# KiCad board !HDMI2USB.kicad_pcb (continued)
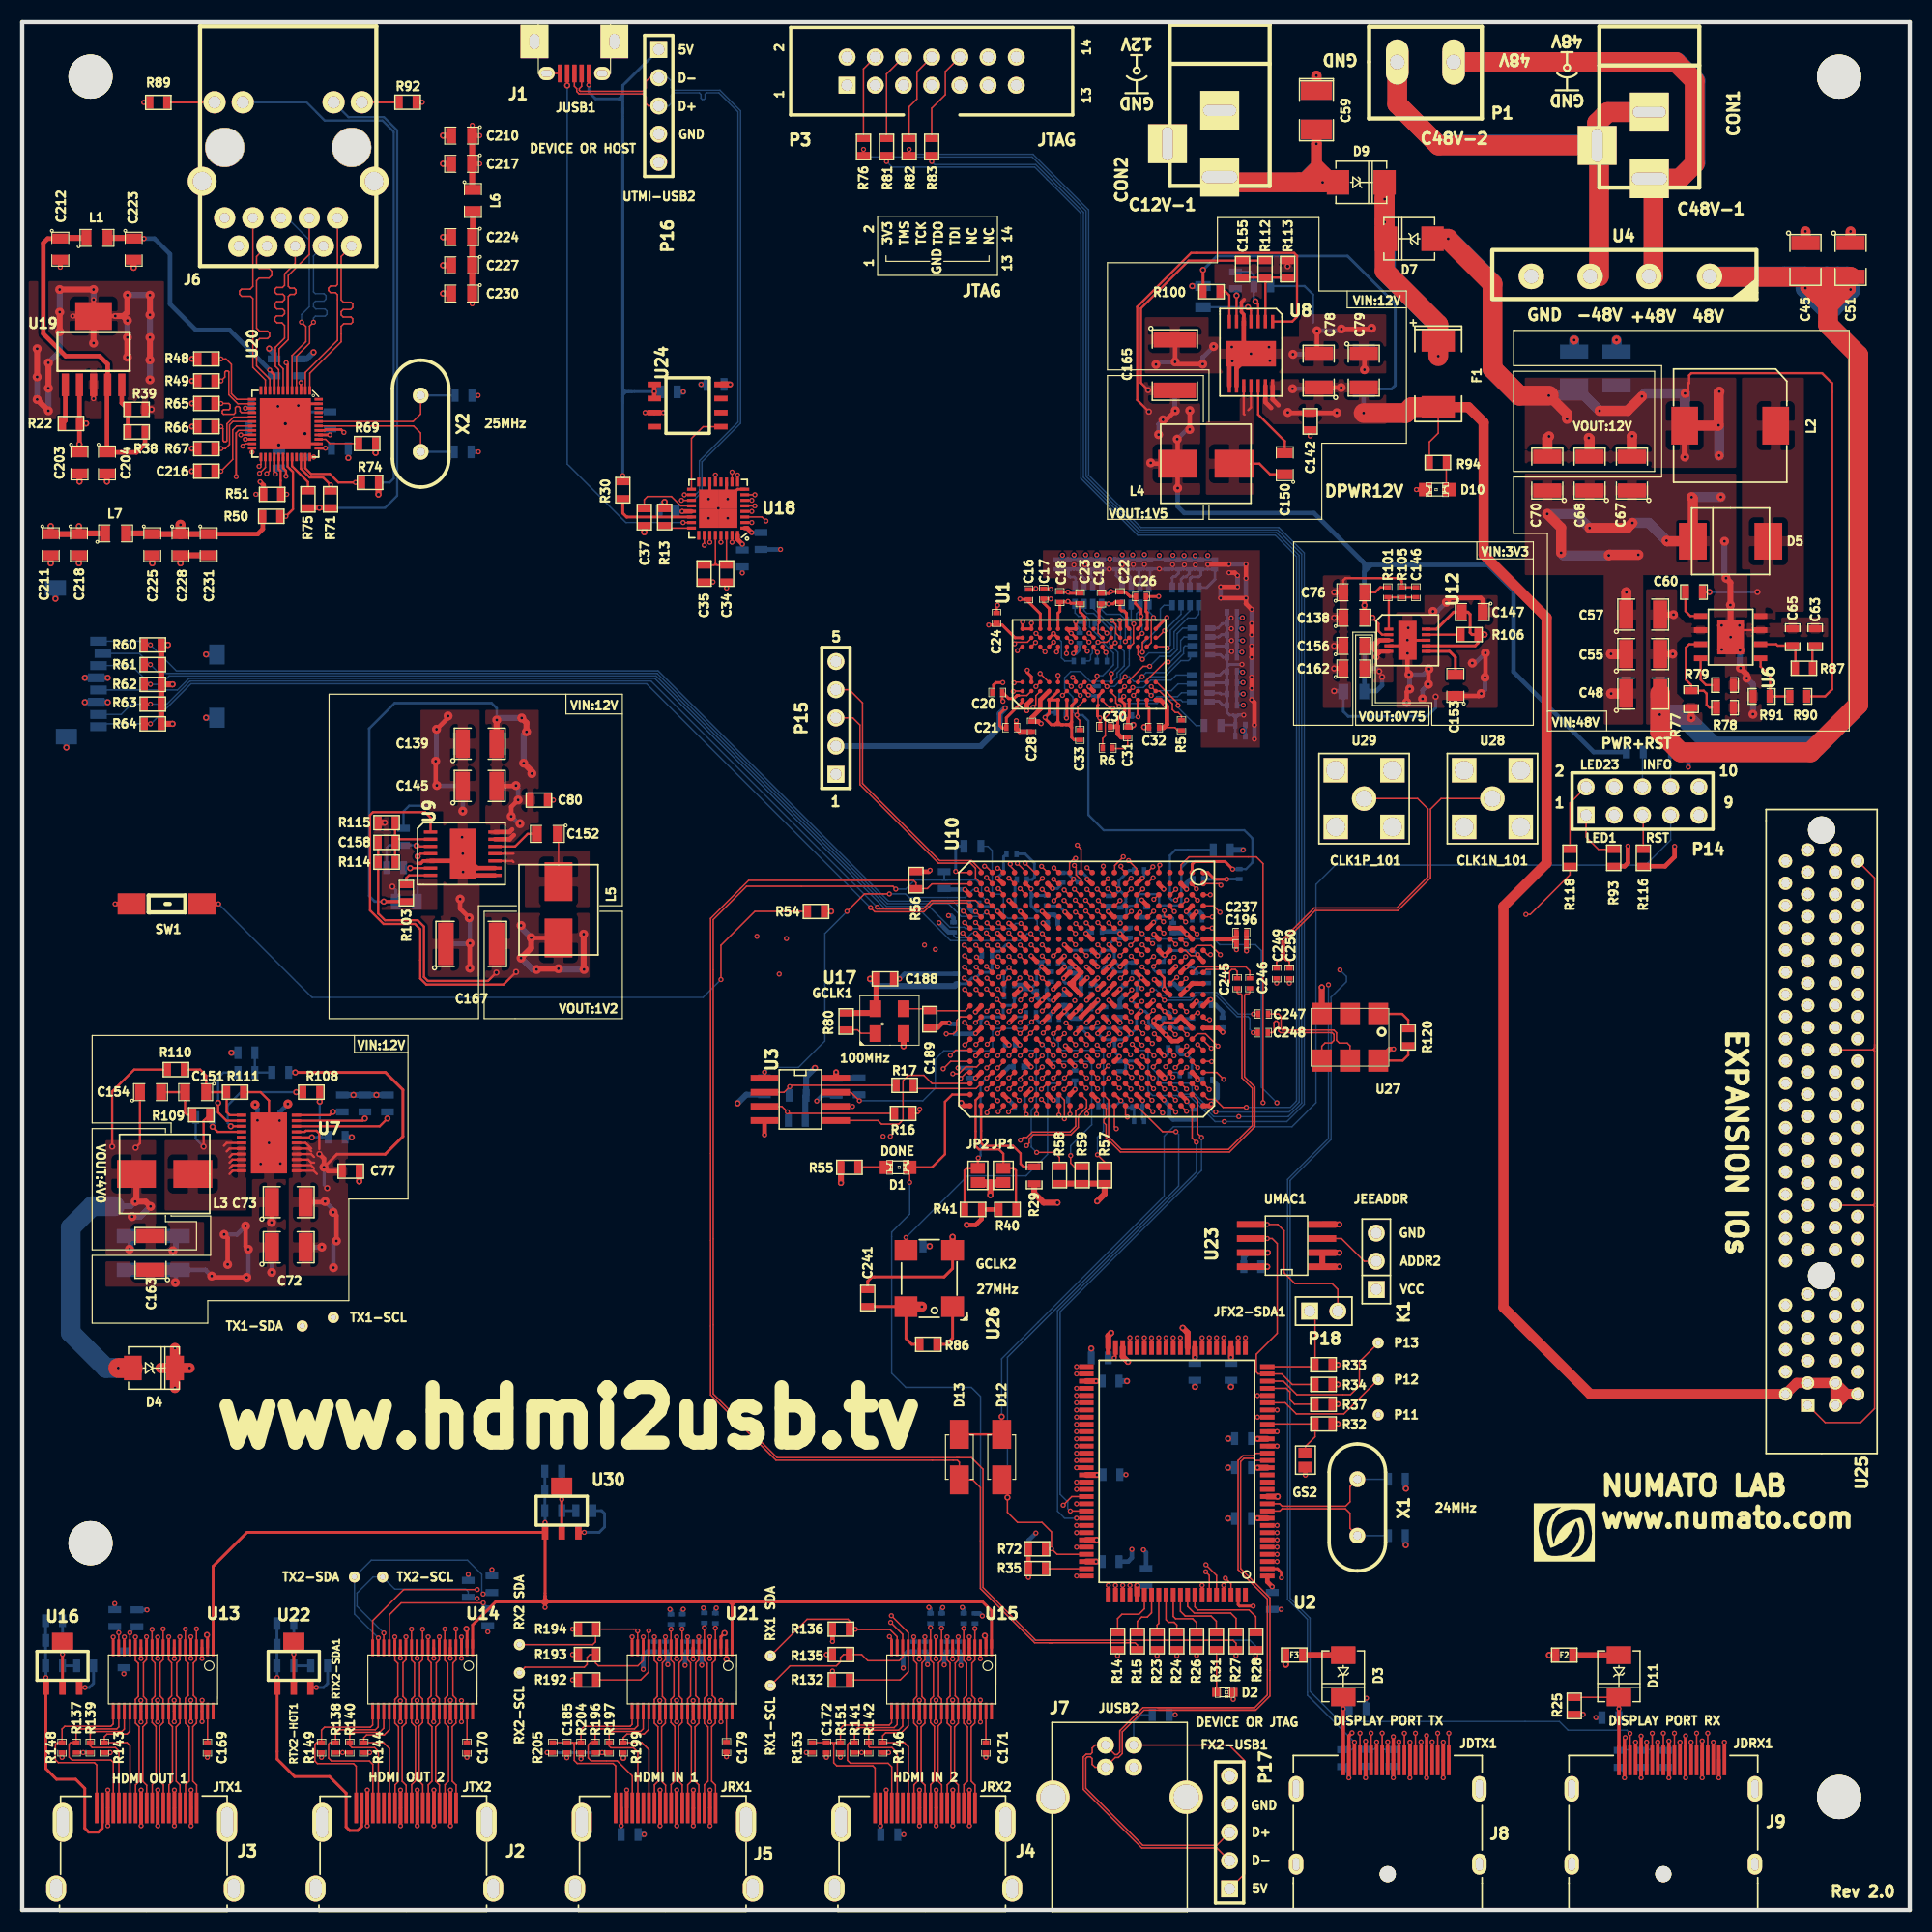
[diagram p0: board, top side]
## Routing (per net, layer and track width the routed paths; a pad name or vN(x,y) marks a point on that pad's centre or on a via; arc(x,y) is an arc through that point) (continued)
  BOTTOM w0.127: 99.88,85.9 v1(99.88,85.87)
/FPGA_Bank_0_3/DIFFCLK_A1P: length 81.1
  TOP w0.127: U10.F10 100.86,84.92
  SIGNAL1-X w0.127: U25.A47 158.57,93.45 157.8,94.22 156.57,94.22 156.24,94.55 156.24,96.06 156.09,96.21 155.93,96.21 155.78,96.06 155.78,94.53 155.47,94.22 155.09,94.22 154.8,94.51 154.8,96.03 154.63,96.2 154.43,96.2 154.27,96.03 154.27,94.52 153.96,94.22 153.6,94.22 153.32,94.5 153.32,96.04 153.17,96.2 152.99,96.2 152.85,96.05 152.85,94.49 152.58,94.22 152.02,94.22 151.78,94.46 151.78,95.1 151.64,95.24 151.44,95.24 151.3,95.1 151.3,94.44 151.08,94.22 108.4,94.22 107.89,93.71 103.86,93.71 103.41,93.25 103.41,91.65 103.14,91.39 102.66,91.39 102.38,91.11 102.38,89.67 102.11,89.4 101.68,89.4 100.37,88.08 100.37,85.41 v1(100.86,84.92)
/FPGA_Bank_0_3/DIFFCLK_B0N: length 81.1
  TOP w0.127: 101.97,78.89 102.36,78.5 U10.E16
  SIGNAL4-Y w0.127: v1(101.96,78.89) 102.53,78.32 133.39,78.32 136.26,81.19 148.57,81.19 155.62,74.14 155.62,69.58 157.59,67.61 159.52,67.61 160.48,66.64 161.55,66.64 162.1,67.19 162.1,73.56 163,74.45 U25.B28
/FPGA_Bank_0_3/DIFFCLK_B0P: length 81.1
  TOP w0.127: 101.39,78.42 v1(101.78,78.02)
  SIGNAL4-Y w0.127: v1(101.78,78.02) 102.41,77.39 106.66,77.39 106.92,77.14 107.99,77.14 108.95,78.09 133.49,78.09 135.3,79.91 137.1,79.91 137.24,80.05 137.24,80.28 137.09,80.44 136.36,80.44 136.2,80.6 136.2,80.8 136.36,80.96 148.47,80.96 155.39,74.04 155.39,69.48 157.5,67.38 159.42,67.38 160.39,66.41 161.65,66.41 162.33,67.09 162.33,72.47 U25.B27
/FPGA_Bank_0_3/DIFFCLK_B1N: length 81
  TOP w0.127: 100.41,83.42 v1(100.85,82.97)
  SIGNAL4-Y w0.127: U25.B46 164.38,91.52 164.38,90.84 163.86,90.33 160.18,90.33 159.16,91.34 156.75,91.34 156.37,91.72 156.37,95.53 156.27,95.63 156.05,95.63 155.95,95.53 155.95,95.25 155.82,95.12 111.49,95.12 108.23,91.86 106.58,91.86 106.21,91.48 101.82,91.48 101.47,91.14 101.47,89.42 ; v1(100.85,82.97) 100.36,83.47 100.36,88.3 101.47,89.41
/FPGA_Bank_0_3/DIFFCLK_B1P: length 81.1
  TOP w0.127: 99.48,82.42 v1(99.92,82.86)
  SIGNAL4-Y w0.127: U25.B45 162.42,90.56 160.27,90.56 159.26,91.57 156.89,91.57 156.6,91.86 156.6,96.77 156.39,96.98 155.92,96.98 155.71,96.77 155.71,95.49 155.58,95.35 111.39,95.35 109.26,93.22 107.89,93.22 107.08,92.41 102.42,92.41 101.24,91.23 101.24,89.51 99.41,87.68 99.41,83.7 99.92,83.19 v1(99.92,82.86)
/FPGA_Bank_0_3/DIFFCLK_XN: length 81.1
  TOP w0.127: v1(103.64,75) 103.36,75.27 U10.D19
  SIGNAL2-Y w0.127: U25.A14 158.02,61.24 152.07,61.24 151.69,61.62 151.69,67.59 151.53,67.74 151.26,67.74 151.1,67.58 151.1,61.84 150.79,61.53 150.35,61.53 150.06,61.82 150.06,67.53 149.85,67.74 149.58,67.74 149.38,67.55 149.38,65.77 149.25,65.64 149,65.64 148.86,65.77 148.86,67.53 148.65,67.74 147.11,67.74 139.66,75.2 104.22,75.2 104.01,75 v1(103.64,75)
/FPGA_Bank_0_3/DIFFCLK_XP: length 81.2
  TOP w0.127: v1(102.98,75.93) 103.36,76.32 U10.D18
  SIGNAL2-Y w0.127: U25.A13 159.92,60.34 159.92,60.78 159.22,61.47 152.18,61.47 151.92,61.73 151.92,67.71 151.66,67.98 151.15,67.98 150.87,67.69 150.87,61.94 150.7,61.78 150.43,61.78 150.29,61.92 150.29,67.7 150.01,67.98 147.21,67.98 139.76,75.43 103.12,75.43 102.98,75.57 v1(102.98,75.93)
/FPGA_Bank_0_3/DIFFIO_A0N: length 81.2
  TOP w0.127: v1(103.86,75.86) 104.36,76.37 U10.C18
  SIGNAL4-Y w0.127: v1(103.86,75.86) 103.86,75.52 104.31,75.07 104.31,73.76 104.59,73.48 105.34,73.48 105.73,73.1 135.45,73.1 145.12,63.43 153.06,63.43 153.26,63.24 153.26,62.95 153.05,62.75 150.43,62.75 150.16,62.48 150.16,62.04 150.44,61.77 154.73,61.77 154.88,61.61 154.88,61.42 154.73,61.27 153.61,61.27 153.44,61.1 153.44,60.91 153.57,60.78 155.71,60.78 155.94,60.55 155.94,53.32 U25.A6
/FPGA_Bank_0_3/DIFFIO_A0P: length 81.1
  TOP w0.127: v1(103.74,76.91) 103.36,77.28 U10.D17
  SIGNAL4-Y w0.127: U25.A5 159.9,50.36 159.9,50.92 159.37,51.45 158.14,51.45 156.17,53.42 156.17,60.65 154.82,62 150.53,62 150.39,62.14 150.39,62.37 150.53,62.52 153.15,62.52 153.49,62.86 153.49,63.33 153.15,63.67 145.21,63.67 135.54,73.33 105.85,73.33 105.28,73.9 105.28,74.51 104.26,75.53 104.26,76.39 v1(103.74,76.91)
/FPGA_Bank_0_3/DIFFIO_A1N: length 81.2
  TOP w0.127: U10.A18 107.09,76.42
  SIGNAL4-Y w0.127: v1(107.12,76.39) 144.4,76.39 144.52,76.51 144.52,76.73 144.39,76.85 137.93,76.85 137.43,77.36 137.43,78.9 137.92,79.39 148.51,79.39 154.47,73.43 154.47,68.86 157.77,65.56 157.77,63.82 158.14,63.45 U25.A17
/FPGA_Bank_0_3/DIFFIO_A1P: length 81.1
  TOP w0.127: v1(105.87,75.85) 105.36,76.35 U10.B18
  SIGNAL4-Y w0.127: U25.A16 157.54,63.72 157.54,65.46 154.24,68.76 154.24,73.33 148.41,79.15 138.02,79.15 137.66,78.8 137.66,77.46 138.03,77.09 144.58,77.09 144.8,76.87 144.8,76.32 144.64,76.16 107.55,76.16 107.25,75.85 v1(105.87,75.85)
/FPGA_Bank_0_3/DIFFIO_A2N: length 81.1
  TOP w0.127: 100.43,79.42 v1(100.93,78.91)
  SIGNAL4-Y w0.127: U25.A22 156.72,70.54 156.72,76.28 149.93,83.06 149.93,85.95 149.4,86.48 134.5,86.48 134.34,86.32 134.34,86.13 134.5,85.98 136.12,85.98 136.28,85.83 136.28,85.63 136.13,85.49 133.67,85.49 133.45,85.27 133.45,80.54 132.39,79.47 101.96,79.47 101.4,78.91 v1(100.93,78.91)
/FPGA_Bank_0_3/DIFFIO_A2P: length 81.1
  TOP w0.127: v1(99.83,79.98) 99.39,80.42
  SIGNAL4-Y w0.127: U25.A21 159.76,68.5 159.76,69.08 159.43,69.41 158.18,69.41 156.95,70.64 156.95,76.38 150.16,83.16 150.16,86.05 149.5,86.71 134.27,86.71 133.22,85.66 133.22,80.64 132.29,79.7 101.86,79.7 101.62,79.46 100.35,79.46 v1(99.83,79.98)
/FPGA_Bank_0_3/DIFFIO_A3N: length 81.1
  TOP w0.127: 100.81,81.79 v1(100.84,81.82) 100.77,81.82 U10.G13
  SIGNAL2-Y w0.127: U25.A26 158.04,71.68 155.53,71.68 155.25,71.96 155.25,75.99 154.96,76.29 154.55,76.29 154.25,75.99 154.25,71.91 154.02,71.68 153.81,71.68 153.59,71.89 153.59,76 153.31,76.28 152.94,76.28 152.66,75.99 152.66,73.61 152.5,73.44 152.31,73.44 152.16,73.6 152.16,74.26 152.02,74.4 151.87,74.4 151.74,74.27 151.74,73.59 151.59,73.44 151.42,73.44 151.28,73.58 151.28,74.29 151.18,74.4 150.98,74.4 150.87,74.3 150.87,73.59 150.73,73.44 149.62,73.44 141.69,81.37 103.41,81.37 103.33,81.46 101.46,81.46 101.1,81.82 v1(100.84,81.82)
/FPGA_Bank_0_3/DIFFIO_A3P: length 81.1
  TOP w0.127: 99.38,81.35 v1(99.87,80.86)
  SIGNAL2-Y w0.127: v1(99.87,80.86) 100.28,80.45 101.38,80.45 101.49,80.57 102.44,80.57 102.77,80.24 106.07,80.24 106.97,81.14 141.6,81.14 149.52,73.21 152.6,73.21 152.89,73.51 152.89,75.88 153.02,76.01 153.24,76.01 153.36,75.88 153.36,71.8 153.71,71.45 154.12,71.45 154.48,71.81 154.48,75.89 154.65,76.06 154.86,76.06 155.02,75.9 155.02,71.82 155.39,71.45 U25.A25
/FPGA_Bank_0_3/DIFFIO_A4N: length 81
  TOP w0.127: 102.36,88.4 v1(102.81,87.96)
  SIGNAL4-Y w0.127: v1(102.81,87.96) 103.3,87.47 127.24,87.47 127.49,87.72 127.49,91.25 127.67,91.43 127.88,91.43 128.06,91.25 128.06,87.69 128.28,87.46 128.96,87.46 129.2,87.7 129.2,91.24 129.39,91.43 129.6,91.43 129.79,91.24 129.79,88.59 130.01,88.37 130.55,88.37 130.78,88.59 130.78,91.18 131.02,91.43 151.36,91.43 152.19,90.6 152.19,84.25 153.21,83.23 158.03,83.23 U25.A36
/FPGA_Bank_0_3/DIFFIO_A4P: length 81.1
  TOP w0.127: v1(102.79,88.99) 102.36,89.41 U10.E5
  SIGNAL4-Y w0.127: U25.A35 159.76,82.5 159.76,83.09 159.38,83.46 153.31,83.46 152.42,84.35 152.42,90.71 151.47,91.66 130.89,91.66 130.54,91.31 130.54,90.18 130.41,90.04 130.15,90.04 130.02,90.17 130.02,91.36 129.72,91.66 129.28,91.66 128.97,91.35 128.97,87.9 128.76,87.69 128.5,87.69 128.29,87.9 128.29,91.34 127.97,91.66 127.58,91.66 127.26,91.35 127.26,87.96 127,87.7 106.95,87.7 106.32,88.34 103.43,88.34 v1(102.79,88.99)
/FPGA_Bank_0_3/DIFFIO_A5N: length 81.2
  TOP w0.127: v1(107.87,89.84) 107.29,90.42 U10.A4
  SIGNAL4-Y w0.127: v1(107.87,89.84) 112.18,89.84 112.5,90.16 112.5,93.4 112.67,93.56 112.89,93.56 113.06,93.39 113.06,90.16 113.38,89.84 113.81,89.84 114.11,90.13 114.11,93.41 114.27,93.57 114.47,93.57 114.63,93.41 114.63,90.12 114.8,89.95 115.03,89.95 115.2,90.12 115.2,91.34 115.34,91.49 115.55,91.49 115.7,91.34 115.7,90.14 115.88,89.97 116.06,89.97 116.22,90.13 116.22,91.32 116.39,91.48 116.59,91.48 116.75,91.32 116.75,90.13 117.05,89.84 121.74,89.84 122.09,90.18 122.09,93.29 122.33,93.54 154.33,93.54 154.75,93.11 154.75,87.94 155.45,87.24 158.02,87.24 U25.A40
/FPGA_Bank_0_3/DIFFIO_A5P: length 81
  TOP w0.127: v1(104.87,90.94) 104.36,90.44 U10.C4
  SIGNAL4-Y w0.127: U25.A39 159.94,86.32 159.94,86.97 159.44,87.47 155.56,87.47 154.98,88.05 154.98,93.21 154.42,93.77 122.24,93.77 121.83,93.37 121.83,90.25 121.65,90.07 118,90.07 117.78,90.29 117.78,93.56 117.54,93.8 114.17,93.8 113.88,93.51 113.88,90.26 113.69,90.07 113.48,90.07 113.29,90.25 113.29,93.5 112.99,93.8 112.57,93.8 112.27,93.5 112.27,90.25 112.08,90.07 108.29,90.07 107.93,90.42 105.72,90.42 105.2,90.94 v1(104.87,90.94)
/FPGA_Bank_0_3/DIFFIO_A6N: length 81.1
  TOP w0.127: v1(107.95,92.28) 107.81,92.42 U10.A2
  SIGNAL1-X w0.127: v1(107.95,92.28) 108.13,92.1 149.49,92.1 149.65,92.26 149.65,92.67 149.78,92.8 149.96,92.8 150.11,92.65 150.11,92.24 150.25,92.1 150.44,92.1 150.59,92.25 150.59,93.03 150.75,93.2 150.92,93.2 151.1,93.02 151.1,91.22 151.22,91.09 151.39,91.09 151.51,91.21 151.51,92.9 151.8,93.2 152.29,93.2 152.62,92.87 152.62,89.84 152.78,89.69 152.98,89.69 153.15,89.86 153.15,92.87 153.45,93.17 153.91,93.17 154.24,92.84 154.24,89.85 154.41,89.68 154.61,89.68 154.81,89.87 154.81,92.87 155.11,93.18 155.5,93.18 155.81,92.87 155.81,89.87 156,89.68 156.23,89.68 156.42,89.87 156.42,92.89 156.71,93.18 157.13,93.18 157.43,92.88 157.43,89.86 157.61,89.68 158.04,89.68 U25.A44
/FPGA_Bank_0_3/DIFFIO_A6P: length 81
  TOP w0.127: v1(105.74,91.95) 105.36,92.33 U10.B2
  SIGNAL1-X w0.127: U25.A43 157.5,89.45 157.2,89.75 157.2,92.78 157.03,92.95 156.81,92.95 156.65,92.78 156.65,89.74 156.36,89.45 155.9,89.45 155.58,89.77 155.58,92.76 155.4,92.94 155.21,92.94 155.04,92.77 155.04,89.78 154.71,89.45 154.29,89.45 153.99,89.74 153.99,92.73 153.8,92.93 153.56,92.93 153.38,92.75 153.38,89.75 153.09,89.45 152.68,89.45 152.39,89.75 152.39,92.77 152.2,92.96 151.9,92.96 151.74,92.8 151.74,91.08 151.49,90.83 151.11,90.83 150.87,91.07 150.87,91.72 150.72,91.87 107.57,91.87 107.3,92.13 106.49,92.13 106.31,91.95 v1(105.74,91.95)
/FPGA_Bank_0_3/DIFFIO_B0N: length 81
  TOP w0.127: U10.A20 v1(106.91,73.87)
  SIGNAL2-Y w0.127: U25.A8 158.04,51.68 157.06,51.68 156.83,51.91 156.83,57.61 156.53,57.91 156.11,57.91 155.83,57.63 155.83,51.88 155.63,51.68 155.44,51.68 155.27,51.85 155.27,57.64 154.99,57.91 154.6,57.91 154.32,57.63 154.32,57.22 154.17,57.07 153.97,57.07 153.83,57.21 153.83,57.76 153.68,57.91 153.51,57.91 153.36,57.77 153.36,57.23 153.21,57.08 152.97,57.08 152.82,57.22 152.82,57.77 152.69,57.9 152.49,57.9 152.36,57.78 152.36,57.24 152.19,57.07 150.15,57.07 133.63,73.58 107.2,73.58 v1(106.91,73.87)
/FPGA_Bank_0_3/DIFFIO_B0P: length 81.1
  TOP w0.127: U10.B20 105.78,74
  SIGNAL2-Y w0.127: v1(105.78,73.99) 106.42,73.35 133.54,73.35 150.05,56.84 154.26,56.84 154.55,57.13 154.55,57.54 154.7,57.68 154.88,57.68 155.04,57.53 155.04,51.75 155.34,51.45 155.73,51.45 156.06,51.78 156.06,57.53 156.21,57.68 156.43,57.68 156.6,57.51 156.6,51.8 156.95,51.45 U25.A7
/FPGA_Bank_0_3/DIFFIO_B1N: length 81.1
  TOP w0.127: v1(101.92,76.92) 101.46,77.39 101.32,77.39
  SIGNAL2-Y w0.127: U25.B15 162.51,62.25 160.24,62.25 159.19,63.29 154.64,63.29 154.38,63.55 154.38,68.58 154.23,68.74 154.01,68.74 153.86,68.59 153.86,64.04 153.7,63.88 153.13,63.88 152.96,64.05 152.96,68.56 ; 152.96,68.57 152.8,68.73 148.05,68.73 139.98,76.79 106.71,76.79 106.42,76.5 102.34,76.5 v1(101.92,76.92)
/FPGA_Bank_0_3/DIFFIO_B1P: length 81
  TOP w0.127: v1(100.86,77.87) 100.36,78.37
  SIGNAL2-Y w0.127: v1(100.86,77.87) 101.35,77.39 106.68,77.39 107.04,77.03 140.08,77.03 148.14,68.96 152.96,68.96 153.19,68.73 153.19,66.23 153.32,66.1 153.49,66.1 153.63,66.24 153.63,68.72 153.88,68.97 154.37,68.97 154.61,68.72 154.61,63.71 154.8,63.52 159.29,63.52 160.33,62.48 164.01,62.48 164.38,62.11 164.38,61.38 U25.B14
/FPGA_Bank_0_3/DIFFIO_B2N: length 81.1
  TOP w0.127: U10.A17 105.87,77.91
  SIGNAL2-Y w0.127: U25.B20 164.35,65.49 164.35,64.81 163.8,64.27 160.15,64.27 159.1,65.32 157.29,65.32 156.94,65.67 156.94,70.36 156.79,70.51 156.59,70.51 156.44,70.36 156.44,65.68 156.09,65.34 155.67,65.34 155.37,65.63 155.37,70.37 155.24,70.51 154.93,70.51 154.8,70.38 154.8,69.87 154.57,69.64 150.48,69.64 141.93,78.19 106.98,78.19 106.44,77.65 106.13,77.65 v1(105.87,77.92)
/FPGA_Bank_0_3/DIFFIO_B2P: length 81.1
  TOP w0.127: v1(104.88,77.79) 104.53,77.45 104.3,77.45
  SIGNAL2-Y w0.127: U25.B19 162.36,64.5 160.24,64.5 159.2,65.55 157.39,65.55 157.17,65.77 157.17,70.45 156.88,70.74 156.49,70.74 156.21,70.46 156.21,65.78 155.99,65.57 155.79,65.57 155.6,65.76 155.6,70.47 155.33,70.74 154.84,70.74 154.56,70.47 154.56,70.02 154.42,69.88 154.25,69.88 154.13,70 154.13,70.46 154.01,70.59 153.85,70.59 153.73,70.47 153.73,70 153.6,69.88 153.36,69.88 153.25,69.99 153.25,70.32 153.14,70.43 152.95,70.43 152.83,70.31 152.83,69.99 152.71,69.88 150.57,69.88 142.02,78.43 105.51,78.43 v1(104.88,77.79)
/FPGA_Bank_0_3/DIFFIO_B3N: length 81.2
  TOP w0.127: 99.87,83.86 99.45,83.44
  SIGNAL2-Y w0.127: U25.B24 162.66,70.45 162.22,70.89 162.22,75.97 161.56,76.62 160.51,76.62 159.53,77.6 157,77.6 156.77,77.37 156.77,74.19 156.64,74.06 156.43,74.06 156.29,74.19 156.29,77.37 156.06,77.6 147.6,77.6 142.58,82.62 105.94,82.62 105.19,83.38 100.78,83.38 100.3,83.86 v1(99.92,83.86)
/FPGA_Bank_0_3/DIFFIO_B3P: length 81.1
  TOP w0.127: v1(98.91,83.9) 99.36,84.35 U10.H10
  SIGNAL2-Y w0.127: U25.B23 161.99,70.77 161.99,75.87 161.47,76.39 160.41,76.39 159.44,77.37 157.2,77.37 157,77.17 157,74.05 156.79,73.83 156.3,73.83 156.06,74.06 156.06,77.23 155.92,77.37 147.51,77.37 142.48,82.39 99.72,82.39 99.4,82.71 99.4,83.11 98.91,83.6 v1(98.91,83.9)
/FPGA_Bank_0_3/DIFFIO_B4N: length 81
  TOP w0.127: U10.D5 102.98,89.42 102.85,89.55 v1(102.85,89.98)
  SIGNAL1-X w0.127: 165.24,80.52 160.21,80.52 159.22,81.52 157.74,81.52 157.53,81.74 157.53,84.45 157.3,84.68 156.79,84.68 156.55,84.44 156.55,81.72 156.35,81.52 156.14,81.52 155.95,81.71 155.95,84.44 155.7,84.68 155.19,84.68 154.93,84.42 154.93,81.68 154.77,81.52 154.52,81.52 154.37,81.67 154.37,82.34 154.09,82.63 153.71,82.63 153.42,82.34 153.42,81.67 153.27,81.52 150.27,81.52 141.31,90.47 103.34,90.47 v1(102.85,89.98)
/FPGA_Bank_0_3/DIFFIO_B4P: length 81.1
  TOP w0.127: v1(103.76,89.9) 103.36,90.3 U10.D4
  SIGNAL1-X w0.127: v1(103.76,89.9) 104.28,89.38 106.2,89.38 107.06,90.24 141.22,90.24 141.37,90.09 141.37,89.92 141.23,89.78 140.3,89.78 140.16,89.65 140.16,89.49 140.28,89.37 142.09,89.37 150.17,81.29 153.4,81.29 153.65,81.54 153.65,82.23 153.81,82.39 153.99,82.39 154.14,82.24 154.14,81.56 154.42,81.29 154.86,81.29 155.16,81.59 155.16,84.26 155.33,84.43 155.53,84.43 155.71,84.25 155.71,81.61 156.04,81.29 156.45,81.29 156.78,81.62 156.78,84.3 156.93,84.45 157.13,84.45 157.29,84.29 157.29,81.63 157.63,81.29 159.12,81.29 160.12,80.29 162.47,80.29 U25.B33
/FPGA_Bank_0_3/DIFFIO_B5N: length 81.2
  TOP w0.127: U10.A5 107.18,89.42
  SIGNAL4-Y w0.127: U25.B38 165.25,84.51 160.21,84.51 159.24,85.47 154.36,85.47 153.77,86.06 153.77,92.3 153.25,92.82 126.29,92.82 126.01,92.54 126.01,89.99 125.85,89.82 125.57,89.82 125.43,89.96 125.43,92.54 125.14,92.82 124.75,92.82 124.44,92.51 124.44,89.54 124.24,89.35 124,89.35 123.81,89.54 123.81,92.48 123.47,92.82 123.02,92.82 122.69,92.49 122.69,89.57 122.32,89.21 107.39,89.21 v1(107.18,89.42)
/FPGA_Bank_0_3/DIFFIO_B5P: length 81.2
  TOP w0.127: v1(104.78,88.97) 104.36,89.39 U10.C5
  SIGNAL4-Y w0.127: U25.B37 162.48,84.28 160.12,84.28 159.15,85.24 154.26,85.24 153.54,85.96 153.54,92.21 153.15,92.59 126.44,92.59 126.24,92.4 126.24,89.89 125.95,89.59 125.47,89.59 125.2,89.86 125.2,92.21 125.04,92.37 124.81,92.37 124.67,92.23 124.67,89.45 124.33,89.11 123.9,89.11 123.58,89.44 123.58,92.39 123.37,92.59 123.13,92.59 122.92,92.39 122.92,89.45 122.44,88.97 v1(104.78,88.97)
/FPGA_Bank_0_3/DIFFIO_B6N: length 81.2
  TOP w0.127: U10.A3 107,91.41
  SIGNAL4-Y w0.127: 165.24,88.52 160.21,88.52 159.23,89.51 156.21,89.51 155.86,89.86 155.86,94.07 155.36,94.57 121.12,94.57 120.91,94.36 120.91,91.15 120.75,90.99 120.52,90.99 120.35,91.16 120.35,94.37 120.16,94.57 119.61,94.57 119.4,94.36 119.4,91.15 119.24,90.98 119.01,90.98 118.84,91.15 118.84,94.33 118.6,94.57 111.95,94.57 111.46,94.08 111.46,91.34 111.32,91.2 111.15,91.2 111.02,91.32 111.02,91.58 110.9,91.69 110.71,91.69 110.59,91.58 110.59,91.28 110.46,91.15 107.27,91.15 v1(107,91.41)
/FPGA_Bank_0_3/DIFFIO_B6P: length 81.1
  TOP w0.127: v1(105.85,90.92) 105.36,91.4
  SIGNAL4-Y w0.127: U25.B41 162.47,88.29 160.12,88.29 159.13,89.28 156.2,89.28 156.07,89.15 156.07,88.78 155.95,88.66 155.74,88.66 155.63,88.78 155.63,93.98 155.27,94.34 121.28,94.34 121.14,94.2 121.14,91.03 120.87,90.76 120.42,90.76 120.12,91.06 120.12,94.21 119.99,94.34 119.77,94.34 119.64,94.21 119.64,91.05 119.33,90.75 118.91,90.75 118.61,91.06 118.61,94.16 118.43,94.34 112.05,94.34 111.69,93.99 111.69,91.24 111.37,90.92 v1(105.85,90.92)
/FPGA_Bank_0_3/DIFFIO_XN: length 81.1
  TOP w0.127: v1(108.2,74.79) 107.58,75.42 U10.A19
  SIGNAL4-Y w0.127: 157.06,54.11 157.67,53.5 159.22,53.5 160.14,54.41 162.27,54.41 U25.B11 ; 157.06,64.7 153.22,68.54 153.22,72.84 151.46,74.61 108.39,74.61 v1(108.2,74.79) ; 157.06,64.7 157.06,64.05 156.74,63.73 155.43,63.73 155.3,63.59 155.3,63.37 155.45,63.22 156.78,63.22 157.06,62.94 157.06,56.72 157.31,56.47 158.42,56.47 158.58,56.31 158.58,56.12 158.43,55.97 157.32,55.97 157.06,55.71 157.06,54.12
/FPGA_Bank_0_3/DIFFIO_XP: length 81
  TOP w0.127: v1(104.87,75.87) 104.42,75.42 U10.C19
  SIGNAL4-Y w0.127: U25.B9 162.31,52.45 160.36,52.45 159.54,53.27 157.55,53.27 156.83,53.99 156.83,62.82 156.66,62.99 155.3,62.99 155.07,63.22 155.07,63.74 155.29,63.96 156.64,63.96 156.83,64.15 156.83,64.61 152.99,68.44 152.99,72.75 151.36,74.38 107.93,74.38 107.02,75.29 105.8,75.29 105.23,75.87 v1(104.87,75.87)
/FPGA_Bank_0_3/DIFFIO_YN: length 81.1
  TOP w0.127: U10.F8 v1(100.87,86.91)
  SIGNAL3-X w0.127: v1(100.87,86.91) 101.32,86.46 102.39,86.46 104.36,88.43 106.24,88.43 106.66,88 123.46,88 146.24,65.22 159.62,65.22 160.33,64.51 161.44,64.51 162,63.95 162,59.56 163.1,58.45 U25.B12
/FPGA_Bank_0_3/DIFFIO_YP: length 81.1
  TOP w0.127: U10.F7 101.76,87.02
  SIGNAL3-X w0.127: 144.96,66.84 150.82,66.84 151.01,66.64 151.01,66.28 150.79,66.06 146.34,66.06 146.14,65.85 146.14,65.65 146.34,65.45 U25.A19 ; v1(101.81,87.02) 102.17,87.02 102.32,87.17 102.32,88.14 102.63,88.45 103.32,88.45 104.29,89.42 105.31,89.42 105.81,88.92 107.36,88.92 108.04,88.23 123.56,88.23 144.95,66.84
/FPGA_Bank_0_3/DIFFIO_ZN: length 81.1
  TOP w0.127: v1(101.9,85.85) 101.8,85.85 U10.F9
  SIGNAL2-Y w0.127: v1(101.9,85.85) 102.21,85.85 102.7,85.37 106.84,85.37 108.03,84.17 133.44,84.17 133.67,84.4 133.67,87.48 133.94,87.75 134.32,87.75 134.6,87.47 134.6,84.38 134.81,84.17 135.04,84.17 135.25,84.37 135.25,87.52 135.48,87.76 135.98,87.76 136.27,87.47 136.27,85.26 136.52,85.01 143.98,85.01 149.5,79.49 159.16,79.49 160.14,78.51 163.89,78.51 164.31,78.09 164.31,77.45 U25.B30
/FPGA_Bank_0_3/DIFFIO_ZP: length 81.1
  TOP w0.127: v1(100.86,86.03) 100.45,86.43 100.35,86.43
  SIGNAL2-Y w0.127: v1(100.86,86.03) 101.46,85.42 102.23,85.42 102.6,85.05 103.17,85.05 103.78,84.44 106.15,84.44 106.66,83.93 133.56,83.93 133.9,84.28 133.9,87.38 134.04,87.52 134.23,87.52 134.37,87.38 134.37,84.27 134.7,83.93 135.15,83.93 135.48,84.26 135.48,87.37 135.64,87.53 135.89,87.53 136.04,87.37 ; U25.A32 158,79.26 149.4,79.26 143.89,84.78 140.69,84.78 140.56,84.65 140.56,84.28 140.41,84.13 140.22,84.13 140.06,84.29 140.06,84.62 139.91,84.78 139.64,84.78 139.48,84.62 139.48,84.09 139.33,83.93 139.14,83.93 138.98,84.09 138.98,84.62 138.82,84.78 138.61,84.78 138.46,84.62 138.46,84.08 138.31,83.94 138.11,83.94 137.97,84.08 137.97,84.62 137.82,84.78 137.6,84.78 137.45,84.63 137.45,84.08 137.31,83.94 137.11,83.94 136.98,84.07 136.98,84.63 136.84,84.76 136.6,84.76 136.48,84.64 136.48,84.06 136.35,83.93 136.17,83.93 136.04,84.07 136.04,87.37
/FPGA_Bank_0_3/HSWAP: length 9.4
  TOP w0.127: 103.88,90.93 U10.C3 104.36,91.29
  BOTTOM w0.203: R53.1 103.88,95.46 103.36,94.95 103.36,91.11 103.54,90.93 v1(103.88,90.93)
/FPGA_Bank_0_3/MGT135MHz_N: length 11.4
  TOP w0.127: 101.36,82.44 v1(101.77,82.85) ; C247.1 v1(110.9,80.67)
  BOTTOM w0.127: v1(110.9,80.67) 109.52,80.67 107.57,82.62 105.63,82.62 105.16,82.15 103.38,82.15 103.16,82.37 102.61,82.37 102.12,82.85 v1(101.77,82.85)
/FPGA_Bank_0_3/MGT135MHz_P: length 11.3
  TOP w0.127: C248.1 v1(110.87,79) ; U10.E12 v1(102.86,81.92)
  BOTTOM w0.127: v1(102.86,81.92) 105.25,81.92 105.73,82.39 107.47,82.39 109.43,80.44 110.4,80.44 110.57,80.27 110.57,79.3 v1(110.87,79)
/FPGA_Bank_0_3/MGTREFCLK0_101_N: length 31.2
  TOP w0.127: U10.K22 97.61,72.17 97.61,71.36 97.42,71.16 97.42,70.89 97.61,70.7 97.61,69.54 98.91,68.25 108.73,68.25 111.01,70.53 111.01,74.1 110.08,75.03 110.08,82.38 110.19,82.49 110.45,82.49 110.57,82.6 C246.1
/FPGA_Bank_0_3/MGTREFCLK0_101_P: length 31.3
  TOP w0.127: U10.K21 97.85,72.94 97.85,69.64 99,68.48 108.64,68.48 110.78,70.63 110.78,73.99 109.85,74.92 109.85,82.4 109.76,82.49 109.55,82.49 109.42,82.61 C245.1
/FPGA_Bank_0_3/MGTSMACLK_N: length 13.1
  TOP w0.127: C250.1 v1(114.12,83.45) ; U10.D11 103.92,83.97
  SIGNAL1-X w0.127: v1(103.98,83.97) 104.14,83.97 104.67,83.44 106.87,83.44 108.12,82.19 113.43,82.19 113.67,82.43 113.67,82.84 113.78,82.94 113.99,82.94 114.12,83.07 v1(114.12,83.45)
/FPGA_Bank_0_3/MGTSMACLK_P: length 13.1
  TOP w0.127: C249.1 v1(112.98,83.45) ; U10.C11 104.82,83.87
  SIGNAL1-X w0.127: v1(104.82,83.87) 105.1,83.87 105.3,83.67 106.96,83.67 107.33,83.3 107.54,83.3 108,83.75 108.16,83.75 108.28,83.63 108.28,83.47 107.82,83.01 107.82,82.81 108.21,82.42 113.3,82.42 113.44,82.56 113.44,82.81 113.31,82.94 113.09,82.94 112.98,83.05 v1(112.98,83.45)
/FPGA_Bank_0_3/PCIE_RESET: length 100.1
  TOP w0.127: v1(103.89,91.91) 103.4,91.41 U10.D3
  SIGNAL1-X w0.127: v1(103.89,91.91) 104.29,91.91 104.74,91.46 106.2,91.46 106.74,90.92 147.17,90.92 152.67,85.42 159.28,85.42 160.22,84.48 163.79,84.48 164.78,83.48 166.08,83.48 166.52,83.04 166.52,57.22 163.8,54.5 161.76,54.5 U25.A11
/FPGA_Bank_0_3/PCIO0: length 43.7
  TOP w0.127: R118.2 139.39,93.22 135.81,89.64 v1(135.42,89.64) ; U10.G7 v1(99.83,86.88)
  SIGNAL2-Y w0.127: v1(135.42,89.64) 109.36,89.64 107.17,87.46 100.4,87.46 v1(99.83,86.88)
/FPGA_Bank_0_3/PCIO1: length 52.2
  TOP w0.127: U10.J7 v1(98.83,86.95)
  SIGNAL2-Y w0.127: P14.3 142.14,97.34 138.77,97.34 137.87,96.44 137.87,92.79 135.23,90.16 109.55,90.16 108.26,88.87 106.94,88.87 106.53,88.46 100.78,88.46 99.27,86.95 v1(98.83,86.95)
/FPGA_Bank_0_3/PCIO2: length 58.1
  TOP w0.127: U10.H8 98.87,85.92
  SIGNAL2-Y w0.127: P14.4 144.62,99.89 144.62,97.59 144.14,97.1 138.86,97.1 138.1,96.35 138.1,91.67 135.64,89.21 109.26,89.21 106.53,86.47 99.42,86.47 v1(98.86,85.92)
/FPGA_Bank_0_3/PCIO3: length 58.3
  TOP w0.127: U10.F5 101.88,89.93
  SIGNAL2-Y w0.127: P14.6 144.65,102.41 139.24,102.41 137.64,100.81 137.64,92.89 135.14,90.39 102.36,90.39 v1(101.9,89.93)
  BOTTOM w0.127: R117.1 145.93,104.2 P14.6
/FPGA_Bank_0_3/SMCLK: length 92.9
  TOP w0.127: U10.N6 94.86,87.92
  SIGNAL4-Y w0.127: 153.2,49.6 132.64,70.16 107.42,70.16 105.21,72.36 102.67,72.36 102.36,72.68 102.36,77.11 102.09,77.38 101.62,77.38 101.34,77.67 101.34,78.26 101.17,78.42 100.64,78.42 100.36,78.7 100.36,79.12 100.06,79.42 99.53,79.42 99.36,79.59 99.36,80.06 98.39,81.03 98.39,87.23 98.14,87.48 95.3,87.48 v1(94.86,87.92) ; 153.2,49.6 159.53,49.6 160.52,48.61 162.47,48.61 U25.B5
/FPGA_Bank_0_3/SMDATA: length 95.2
  TOP w0.127: U10.N7 v1(94.86,86.92)
  SIGNAL4-Y w0.127: U25.B6 165.31,50.09 163.61,48.38 160.42,48.38 159.44,49.37 153.1,49.37 132.54,69.93 107.29,69.93 106.01,71.21 101.84,71.21 101.35,71.69 101.35,77.21 101.18,77.37 100.64,77.37 100.42,77.59 100.42,78.2 100.2,78.42 99.63,78.42 99.39,78.66 99.39,79.09 99.13,79.35 98.72,79.35 98.46,79.62 98.46,80.15 97.4,81.2 97.4,86.07 97.08,86.39 95.39,86.39 v1(94.86,86.92)
/FPGA_Bank_0_3/SWITCH: length 17.1
  TOP w0.127: v3(72.85,89.92) R54.1 ; U10.Y3 v1(86.86,91.91)
  SIGNAL1-X w0.127: v3(72.85,89.92) 73.5,89.27 80.6,89.27 83.73,92.39 86.39,92.39 v1(86.86,91.92)
/FPGA_Bank_1_2/CY-IFCLK: length 47.2
  TOP w0.127: U2.26 111.26,46.32 ; 93.35,74.41 v1(92.87,73.93)
  SIGNAL4-Y w0.127: v1(92.87,73.93) 92.43,73.49 92.43,72.42 92.52,72.33 92.52,64.63 92.29,64.4 92.29,48.54 93.27,47.56 95.54,47.56 96.79,46.32 v1(111.26,46.32)
/FPGA_Bank_1_2/CY_CTL0: length 36.6
  TOP w0.127: U10.N16 v1(94.87,77.91) ; U2.54 94.96,46.97
  SIGNAL4-Y w0.127: 94.42,77.38 94.42,77.38 ; 94.42,77.38 94.42,77.38 94.87,77.83 v1(94.87,77.91) ; 94.42,77.38 93.7,77.38 93.37,77.05 93.37,76.71 93.08,76.42 92.55,76.42 92.29,76.16 92.29,73.78 92.2,73.69 92.2,72.29 92.29,72.2 92.29,64.73 92.06,64.49 92.06,48.44 93.53,46.97 v1(94.96,46.97)
